# Altium PCB EVB-ANNA-B5x1_Certifi.PcbDoc (part 5 of 6) (continued)
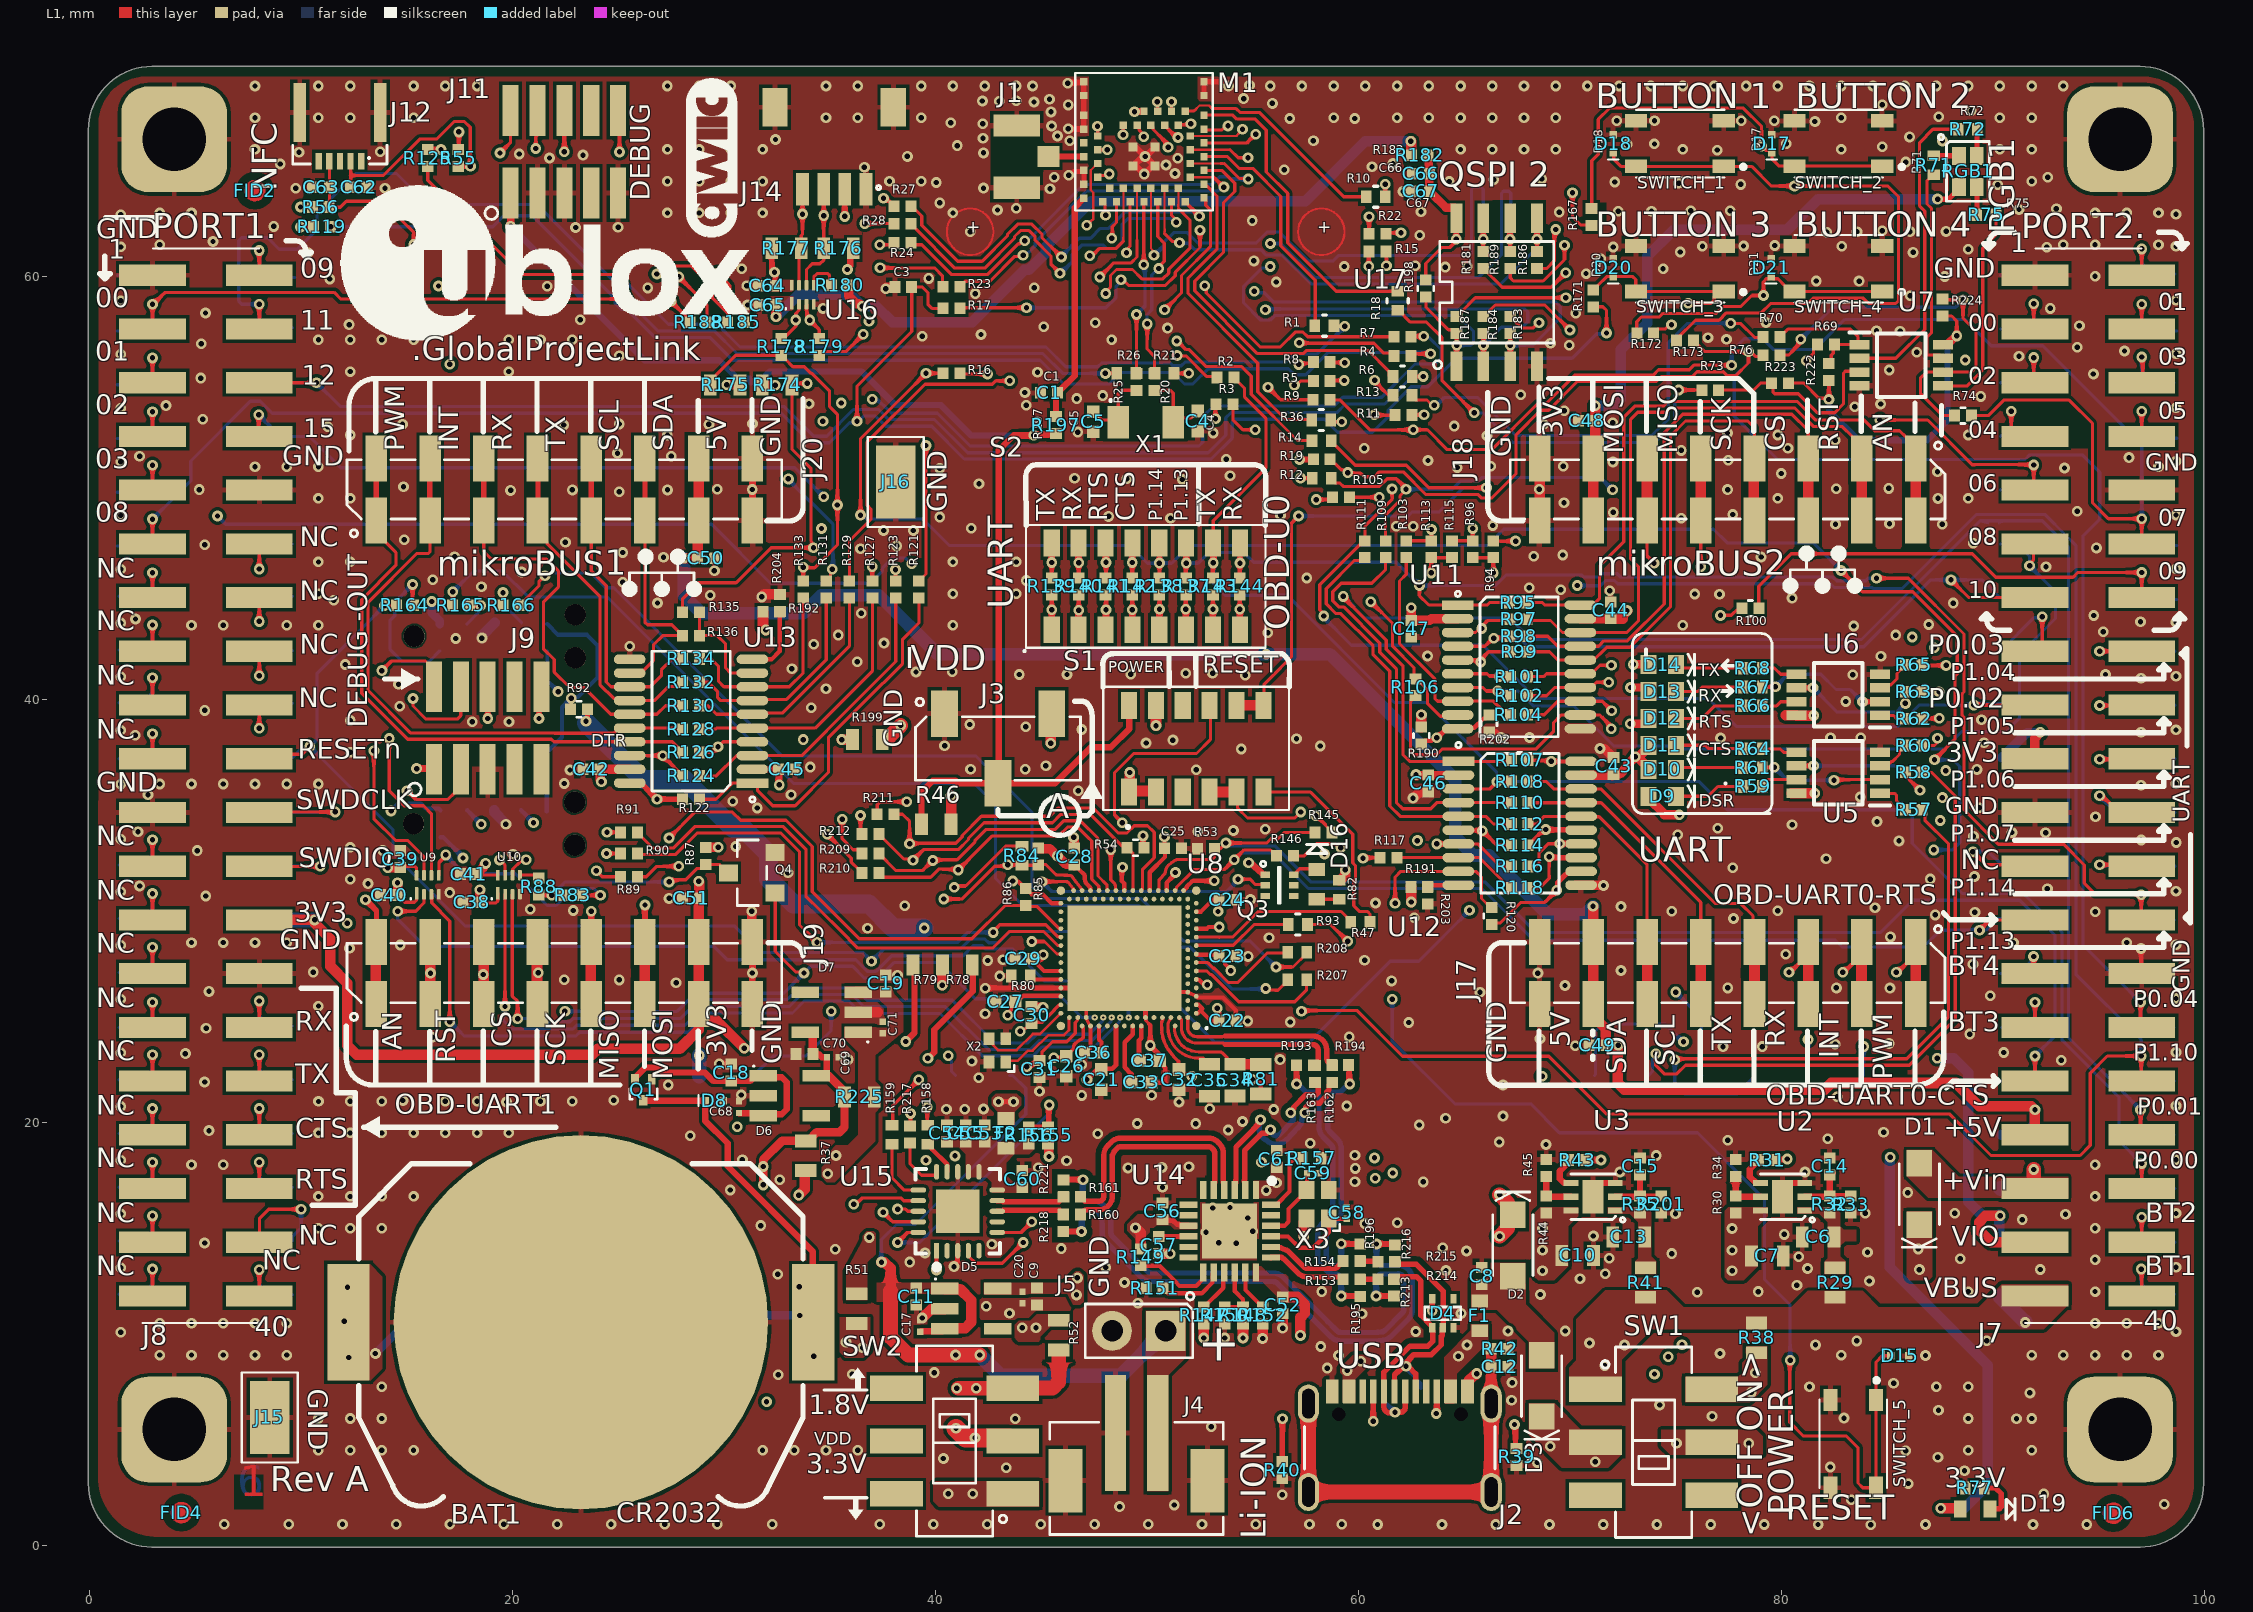
[diagram p0: L1 view]
## Nets (pads, with @x,y where several pads share a name; then routed paths per layer and width w, separated by ;. In a path a pad name is that pad's centre, name@x,y a point inside that pad or via, vN(x,y) a via of type N, cw(c..) or ccw(c..) an arc to the next point about the centre after c; other vN are vias at no path point) (continued)
  L1 w0.15: U10.6@19.995,31.707 20.007,31.719 20.007,32 20.375,32.367 20.57,32.367 v1(20.638,32.436) ; v1@21.248,39.173 J9.10@21.248,40.609 ; J9.10@21.361,39.789 J9.10@21.361,40.609
  L3 w0.15: v1(20.638,32.436) 20.638,32.533 20.494,32.677 20.494,38.686 20.897,39.089 21.221,39.089 v1(21.248,39.116)
SWD_EXT_SWO: J9.6 U10.7 | length 9.2
  L1 w0.15: v1@18.821,39.173 J9.6@18.821,40.609 ; v1(19.383,32.428) 19.645,32.166 U10.7@19.645,31.707
  L3 w0.15: v1(18.821,39.116) 18.821,39.098 19.07,38.849 19.07,32.741 v1(19.383,32.428)
SWDCLK: M1.41 R15.1 | length 16
  L1 w0.15: M1.41@51.15,67.815 v1(51.15,68.276) ; v1(60.479,60.493) 60.479,61.178 R15.1@60.494,61.193
  L3 w0.15: v1(51.15,68.276) 51.386,68.04 52.39,68.04 52.498,67.932 55.378,67.932 59.945,63.365 60.709,63.365 61.002,63.072 61.002,61.015 v1(60.479,60.493)
SWDCLK_ANNA: J8.22 J11.4 R15.2 R166.2 R208.1 TP105.1 | length 130.8
  L1 w0.15: J8.22@7.971,34.671 7.996,34.696 v1(11.608,34.696) ; R166.2@20.345,44.459 20.53,44.644 20.53,44.668 21.24,45.379 21.24,45.576 v1(21.53,45.865) ; v1(21.093,66.064) 21.093,66.595 21.176,66.678 J11.4@21.176,67.859 ; v1(56.09,27.361) 56.898,27.361 57.516,27.98 R208.1@57.516,28.056 ; R15.2@61.294,61.053 R15.2@61.312,61.034 ; R15.2@61.294,61.193 61.312,61.175 R15.2@61.312,61.034 ; v1(61.312,60.524) R15.2@61.312,61.034
  L3 w0.15: v1(21.093,66.064) 21.093,65.109 19.136,63.152 19.136,48.258 v1(21.53,45.865) ; v1@56.101,27.361 56.943,28.203 56.943,33.88 56.44,34.383 56.44,35.003 56.937,35.5 58.618,35.5 58.858,35.74 58.858,44.147 58.44,44.566 58.44,45.184 59.258,46.001 59.258,49.478 61.295,51.515 61.295,60.507 v1(61.312,60.524)
  L4 w0.15: v1(11.608,34.696) 11.705,34.696 11.876,34.868 12.052,34.868 21.53,44.346 v1(21.53,45.865)
  L6 w0.15: TP105.1@9.546,34.671 9.559,34.684 11.595,34.684 v1(11.608,34.696) ; v1(21.53,45.865) 21.626,45.865 21.759,45.998 23.692,45.998 24.391,45.299 24.777,45.299 25.005,45.07 25.01,45.07 32.745,37.336 41.911,37.336 44.552,34.694 44.552,31.158 45.103,30.607 49.705,30.607 51.712,28.6 54.851,28.6 v1(56.09,27.361)
SWDIO: M1.42 R22.1 | length 13.5
  L1 w0.15: v1(50.483,68.276) 50.491,68.267 50.491,67.824 M1.42@50.5,67.815 ; R22.1@60.495,62.036 v1(60.495,62.839)
  L3 w0.15: v1(50.483,68.276) 50.483,68.256 51.01,67.728 52.269,67.728 52.369,67.628 55.216,67.628 60.004,62.839 v1(60.495,62.839)
SWDIO_ANNA: J8.24 J11.2 R22.2 R165.2 R207.1 TP107.1 | length 136.6
  L1 w0.15: J8.24@7.971,32.131 7.979,32.123 v1(10.9,32.123) ; R165.2@17.151,44.459 17.175,44.483 v1(17.175,45.103) ; v1(19.403,65.85) 19.906,66.353 J11.2@19.906,67.859 ; v1(55.61,26.35) 55.678,26.282 56.021,26.282 56.039,26.263 56.189,26.263 56.642,26.716 R207.1@56.642,26.766 ; R22.2@61.294,62.036 61.334,62.076 v1(62.003,62.076)
  L3 w0.15: v1(17.175,45.103) 18.818,46.746 18.818,63.402 19.653,64.237 19.653,65.583 19.403,65.833 v1(19.403,65.85) ; v1(55.61,26.35) 56.117,26.857 56.27,26.857 57.266,27.853 57.266,34.005 56.762,34.509 56.762,34.876 57.066,35.18 58.944,35.18 59.21,35.447 59.21,44.25 58.763,44.697 58.763,45.062 59.072,45.37 59.468,45.37 59.6,45.502 59.6,49.349 61.623,51.372 61.623,60.139 62.031,60.547 62.031,62.048 v1(62.003,62.076)
  L4 w0.15: v1(10.9,32.123) 10.9,34.702 11.385,35.187 11.891,35.187 16.71,40.006 16.71,43.751 17.175,44.216 v1(17.175,45.103)
  L6 w0.15: TP107.1@9.571,32.131 9.575,32.127 10.896,32.127 v1(10.9,32.123) ; v1(17.175,45.103) 18.152,46.079 19.513,46.079 20.732,44.861 24.464,44.861 33.283,36.042 41.818,36.042 42.828,35.032 42.828,31.559 44.117,30.27 49.618,30.27 51.588,28.3 52.043,28.3 54.023,26.32 55.58,26.32 v1(55.61,26.35)
TXD: R68.1 U6.5 | length 1.7
  L1 w0.15: R68.1@79.095,41.502 79.656,41.502 79.951,41.207 U6.5@80.701,41.207
  L1 w0.25: R68.1@79.081,41.488 R68.1@79.095,41.502
UART0_OBD-CTS: J7.31 R53.2 R145.1 TP75.1 U8.AL9 | length 62.2
  L1 w0.15: U8.AL9@50.523,30.976 50.524,30.977 ccw(c50.418,31.083) 50.568,31.083 50.568,31.44 cw(c50.718,31.439) 50.612,31.545 50.815,31.748 ccw(c50.708,31.854) 50.858,31.847 cw(c51.337,31.829) 50.998,32.168 cw(c51.908,31.258) 51.409,32.444 53.056,32.444 53.188,32.575 R53.2@53.188,32.955 53.452,32.955 v1(53.723,33.226) 55.651,33.226 55.855,33.43 56.185,33.43 56.48,33.725 R145.1@57.947,33.725 ; J7.31@90.9,21.97 J7.31@91.975,21.97 ; J7.31@91.975,21.998 v1(91.975,23.156)
  L6 w0.15: v1(53.723,33.226) 53.82,33.226 53.955,33.09 56.036,33.09 57.75,31.376 65.993,31.376 68.369,29 84.677,29 86.197,30.52 91.263,30.52 92.93,28.853 92.93,24.111 v1(91.975,23.156) 91.975,22.47 91.475,21.97 TP75.1@90.401,21.97
UART0_OBD-RTS: J7.25 R146.1 TP69.1 U8.AL5 | length 47.5
  L1 w0.15: U8.AL5@51.323,30.976 51.323,30.996 51.385,31.059 51.385,31.134 52.219,31.968 53.65,31.968 v1(54.122,32.44) 54.122,32.444 54.126,32.444 54.576,32.894 55.837,32.894 55.912,32.819 55.927,32.819 56.112,32.634 R146.1@56.112,32.619 ; v1(89.355,29.104) 89.841,29.59 J7.25@91.975,29.59
  L4 w0.15: v1@54.067,32.385 v1(54.122,32.44)
  L6 w0.15: v1(54.122,32.44) 54.145,32.44 54.472,32.767 55.935,32.767 57.626,31.076 65.833,31.076 68.283,28.626 82.546,28.626 82.863,28.308 86.703,28.308 87.499,29.104 v1(89.355,29.104) 89.357,29.106 89.666,29.106 90.211,29.65 TP69.1@90.4,29.65
UART0_OBD-RXD: R144.1 S2.8 U8.U31 | length 26.4
  L1 w0.15: v1(44.539,28.568) 45.145,28.568 45.736,27.976 U8.U31@45.923,27.976 ; S2.8@54.381,43.252 S2.8@54.381,43.282 ; v1(54.381,44.282) R144.1@54.381,44.959
  L1 w0.25: S2.8@54.381,43.306 v1@54.381,44.252
  L3 w0.15: v1(44.539,28.568) 44.539,29.823 44.131,30.231 43.465,30.231 42.91,30.786 42.91,33.054 52.63,42.774 52.63,44.48 52.91,44.76 53.904,44.76 v1(54.381,44.282)
UART0_OBD-TXD: R143.1 S2.7 U8.AL19 | length 17.1
  L1 w0.15: v1@48.276,32.944 48.276,31.493 48.444,31.325 cw(c48.339,31.218) 48.478,31.273 cw(c48.137,31.139) 48.504,31.139 48.504,30.995 U8.AL19@48.523,30.976 ; S2.7@53.111,43.267 S2.7@53.111,43.279 ; v1(53.111,44.279) R143.1@53.111,44.974
  L1 w0.25: S2.7@53.111,43.306 v1@53.111,44.267
  L3 w0.15: v1(48.283,32.913) 48.31,32.94 48.31,34.383 52.43,38.503 52.43,42.123 52.936,42.63 52.936,44.104 v1(53.111,44.279)
UART1-CTS: R60.2 R142.1 R211.2 S2.4 TP31.1 U15.19 | length 116.3
  L1 w0.15: R211.2@37.238,34.583 37.238,35.037 37.381,35.18 v1(38.63,35.18) ; v1(37.516,15.767) 37.967,15.316 U15.19@39.18,15.316 ; S2.4@49.301,43.218 S2.4@49.301,43.25 ; v1(49.301,44.25) R142.1@49.301,44.956 ; R60.2@86.646,37.836 87.226,37.836 87.37,37.98 v1@87.37,38.123
  L1 w0.25: S2.4@49.301,43.306 v1@49.301,44.218
  L3 w0.15: v1(37.516,15.767) 37.516,18.31 34.223,21.603 34.223,25.907 35.68,27.364 35.68,30.195 37.92,32.434 37.92,33.546 38.63,34.255 v1(38.63,35.18) 38.713,35.18 38.94,34.953 41.218,34.953 49.301,43.037 v1(49.301,44.25)
  L4 w0.15: v1(37.516,15.767) 37.516,15.864 37.722,16.07 37.722,16.116 38.736,17.13 45.89,17.13 46.798,18.038 48.411,18.038 48.824,18.451 52.138,18.451 54.596,15.994 61.144,15.994 64.721,19.572 67.341,19.572 72.536,24.766 80.413,24.766 v1(81.249,23.931) 81.684,24.366 85.436,24.366 88.508,27.438 88.508,37.529 87.859,38.178 v1(87.369,38.178)
  L6 w0.15: v1@81.18,23.965 81.18,23.999 v1(81.249,23.931) ; TP31.1@81.256,22.172 v1@81.256,23.931
UART1-DSR: R57.2 R137.1 S2.6 TP27.1 U15.18 | length 114.5
  L1 w0.15: v1(38.201,15.918) 38.581,15.918 38.683,15.816 U15.18@39.18,15.816 ; v1(51.829,44.276) R137.1@51.829,44.956 ; v1(74.947,22.978) 74.994,23.024 85.915,23.024 87.894,25.003 87.894,33.182 86.77,34.305 86.77,34.671 R57.2@86.646,34.796
  L1 w0.25: S2.6@51.829,43.332 v1(51.829,44.276)
  L3 w0.15: v1(38.201,15.918) 38.201,18.105 37.33,18.976 34.555,21.751 34.555,25.803 35.99,27.239 35.99,30.063 38.257,32.33 38.257,33.408 39.482,34.633 41.362,34.633 49.52,42.79 50.343,42.79 v1@51.827,44.273
  L4 w0.15: v1(38.201,15.918) 40.285,15.918 42.448,13.755 44.234,13.755 46.341,15.862 50.156,15.862 52.895,13.124 61.827,13.124 66.423,17.72 69.25,17.72 74.468,22.938 74.908,22.938 v1(74.947,22.978)
  L6 w0.15: v1(74.947,22.978) 74.947,21.823 75.412,21.358 77.897,21.358 78.711,22.172 TP27.1@78.716,22.172
UART1-DTR: R58.2 R138.1 S2.5 TP30.1 U15.4 | length 124.1
  L1 w0.15: U15.4@41.546,13.951 41.546,13.702 41.892,13.356 43.155,13.356 v1(44.137,14.338) ; v1(50.583,44.278) R138.1@50.583,44.985 ; v1(74.043,23.266) 74.043,22.713 74.448,22.308 75.047,22.308 75.455,22.716 86.031,22.716 88.203,24.889 88.203,35.447 87.084,36.566 R58.2@86.646,36.566
  L1 w0.25: S2.5@50.583,43.32 v1(50.583,44.278)
  L3 w0.15: v1(44.137,14.338) 42.059,12.26 37.172,12.26 35.93,13.502 35.93,15.646 35.624,15.952 35.624,16.136 34.389,17.371 34.389,19.636 32.942,21.083 32.942,28.263 34.239,29.56 34.239,34.26 38.139,38.16 38.55,38.16 44.704,44.314 44.704,44.688 45.072,45.056 48.183,45.056 48.472,44.767 50.095,44.767 v1(50.583,44.278)
  L4 w0.15: v1(44.137,14.338) 44.234,14.338 44.39,14.494 44.42,14.494 46.088,16.162 50.296,16.162 53.006,13.452 61.709,13.452 66.277,18.02 68.86,18.02 74.043,23.203 v1(74.043,23.266)
  L6 w0.15: TP30.1@73.69,22.231 73.891,22.432 73.891,23.017 74.043,23.169 v1(74.043,23.266)
UART1-RTS: R62.2 R141.1 R212.2 S2.3 TP42.1 U15.6 | length 119.2
  L1 w0.15: v1(36.449,34.529) 36.449,33.736 R212.2@36.53,33.655 ; U15.6@42.911,14.816 44.045,14.816 v1(44.549,15.32) ; v1(48.055,44.252) R141.1@48.055,44.959 ; R62.2@86.724,39.185 R62.2@86.646,39.106 v1@87.442,39.106
  L1 w0.25: S2.3@48.055,43.294 v1(48.055,44.252)
  L3 w0.15: v1(44.549,15.32) 44.057,14.828 37.778,14.828 36.909,15.696 36.909,18.492 33.9,21.501 33.9,24.637 33.888,24.649 33.888,26.026 35.378,27.516 35.378,29.769 35.38,29.771 35.38,30.922 36.449,31.99 v1(36.449,34.529) 36.449,35.032 38.627,37.211 41.014,37.211 v1(48.055,44.252)
  L4 w0.15: v1(44.549,15.32) 45.691,16.462 50.431,16.462 53.113,13.781 61.555,13.781 66.095,18.32 67.447,18.32 72.317,23.19 72.507,23.19 72.832,23.515 72.832,24.318 72.964,24.45 79.678,24.45 80.998,23.13 83.413,23.13 v1(83.883,23.6) 84.326,23.157 85.477,23.157 89.89,27.57 89.89,36.877 87.709,39.058 87.514,39.058 v1(87.446,39.127)
  L6 w0.15: TP42.1@83.85,22.231 83.866,22.247 83.866,23.584 v1(83.883,23.6)
UART1-RXD: R63.2 R140.1 R210.2 S2.2 TP29.1 U15.17 | length 124.6
  L1 w0.15: v1(34.872,33.642) 36.012,32.502 36.012,32.323 36.33,32.005 36.345,32.005 36.53,31.82 R210.2@36.53,31.805 ; v1(36.13,16.146) 36.227,16.146 36.527,16.446 38.356,16.446 38.486,16.316 U15.17@39.18,16.316 ; v1@46.761,44.234 v1(46.761,44.237) R140.1@46.761,44.94 ; R63.2@86.646,40.376 v1(87.436,40.376)
  L1 w0.25: S2.2@46.761,43.306 v1@46.761,44.234
  L3 w0.15: v1(36.13,16.146) 36.13,18.347 33.26,21.218 33.26,28.094 34.555,29.388 34.555,31.586 34.872,31.904 v1(34.872,33.642) 34.872,34.418 38.3,37.846 38.68,37.846 45.011,44.177 45.011,44.462 45.289,44.741 46.258,44.741 v1(46.761,44.237)
  L4 w0.15: v1(36.13,16.146) 39.244,19.26 45.982,19.26 46.904,18.338 48.287,18.338 48.774,18.825 52.202,18.825 54.719,16.308 61.004,16.308 65.267,20.571 66.291,20.571 71.898,26.178 v1(74.993,26.178) 76.09,25.08 80.563,25.08 80.943,24.7 85.28,24.7 88.15,27.57 88.15,35.919 87.987,36.082 87.153,36.082 86.34,36.895 86.34,39.109 87.368,40.137 87.368,40.307 v1(87.436,40.376)
  L6 w0.15: v1(74.993,26.178) 76.205,24.966 76.205,22.256 TP29.1@76.23,22.231
UART1-TXD: R65.2 R139.1 R209.2 S2.1 TP26.1 U15.1 | length 130.2
  L1 w0.15: v1(35.579,34.347) 35.579,33.424 36.094,32.909 36.351,32.909 R209.2@36.53,32.73 ; v1(40.038,13.043) 40.038,13.943 U15.1@40.046,13.951 ; v1(45.491,44.25) R139.1@45.491,44.956 ; R65.2@86.646,41.646 86.669,41.622 v1(87.774,41.622)
  L1 w0.25: S2.1@45.491,43.306 v1(45.491,44.25)
  L3 w0.15: v1@35.558,34.325 35.558,31.888 34.888,31.218 34.888,27.485 33.58,26.177 33.58,21.397 36.609,18.368 36.609,15.011 36.26,14.662 36.26,13.635 37.255,12.64 39.635,12.64 v1(40.038,13.043) ; v1(35.579,34.347) 35.647,34.415 35.647,34.709 38.469,37.53 38.801,37.53 45.491,44.22 v1(45.491,44.25)
  L4 w0.15: v1(40.038,13.043) 40.071,13.043 40.425,12.689 43.623,12.689 46.474,15.539 50.037,15.539 52.778,12.799 61.971,12.799 66.592,17.42 69.4,17.42 74.45,22.47 75.168,22.47 75.451,22.754 75.451,23.563 75.428,23.586 75.428,23.716 75.451,23.739 v1(75.36,23.83) 75.364,23.83 75.671,24.137 79.461,24.137 80.787,22.81 85.62,22.81 90.253,27.443 90.253,39.517 89.235,40.535 88.861,40.535 v1(87.774,41.622)
  L6 w0.15: TP26.1@71.15,22.231 71.2,22.281 71.2,24.34 71.536,24.676 74.472,24.676 75.318,23.83 v1(75.36,23.83)
UART1_OBD-CTS: J8.34 R54.2 R212.1 TP118.1 U8.AL15 | length 62.6
  L1 w0.15: J8.34@8.025,19.49 v1(8.025,20.676) ; R212.1@37.322,33.648 38.498,32.472 38.875,32.472 v1(38.931,32.416) 39.427,32.912 41.073,32.912 41.555,33.395 41.555,33.456 42.287,34.188 45.526,34.188 45.915,34.577 47.317,34.577 48.889,33.005 R54.2@49.043,33.005 49.043,32.99 49.228,32.805 49.243,32.805 49.336,32.712 49.336,30.989 U8.AL15@49.323,30.976
  L4 w0.15: v1(8.025,20.676) 9.339,21.99 24.91,21.99 34.156,31.236 39.025,31.236 40.182,30.08 40.576,30.08 41.555,31.06 41.555,32.153 41.263,32.446 40.508,32.446 40.068,32.886 39.667,32.886 39.266,32.485 39,32.485 v1(38.931,32.416)
  L6 w0.15: v1(8.025,20.676) 8.025,19.99 8.525,19.49 TP118.1@9.6,19.49
UART1_OBD-RTS: J8.36 R211.1 TP120.1 U8.AL13 | length 68.7
  L1 w0.15: J8.36@8.025,16.95 v1(8.025,18.136) ; R211.1@38.038,34.583 38.435,34.583 38.769,34.249 v1(38.769,33.194) 38.787,33.212 40.949,33.212 41.255,33.519 41.255,33.58 42.165,34.49 45.388,34.49 45.779,34.881 47.448,34.881 48.629,33.699 49.045,33.699 49.392,34.046 50.015,34.046 50.332,33.729 50.332,32.536 49.786,31.989 49.786,31.092 49.785,31.059 49.723,30.996 U8.AL13@49.723,30.976
  L4 w0.15: v1(8.025,18.136) 8.533,18.644 25.664,18.644 28.24,21.22 28.24,24.87 34.285,30.915 38.892,30.915 40.05,29.756 40.703,29.756 41.866,30.92 41.866,32.283 40.937,33.212 38.787,33.212 v1(38.769,33.194)
  L6 w0.15: v1(8.025,18.136) 8.025,17.45 8.525,16.95 TP120.1@9.6,16.95
UART1_OBD-RXD: J8.30 R209.1 TP113.1 U8.AL21 | length 54.8
  L1 w0.15: J8.30@8.025,24.57 v1(8.025,25.756) ; R209.1@37.33,32.73 37.33,32.715 38.117,31.928 39.382,31.928 39.854,32.4 v1(39.863,32.4) 39.896,32.433 41.018,32.433 41.855,33.27 41.855,33.332 42.392,33.869 45.654,33.869 46.062,34.277 46.845,34.277 47.678,33.444 47.678,31.667 48.109,31.236 48.109,30.99 U8.AL21@48.123,30.976
  L4 w0.15: v1(8.025,25.756) 9.004,25.756 11.22,23.54 25.559,23.54 33.905,31.886 39.331,31.886 39.845,32.4 v1(39.863,32.4)
  L6 w0.15: v1(8.025,25.756) 8.025,25.07 8.525,24.57 TP113.1@9.6,24.57
UART1_OBD-TXD: J8.32 R210.1 TP116.1 U8.AL23 | length 54.3
  L1 w0.15: J8.32@8.025,22.03 v1(8.025,23.216) ; R210.1@37.33,31.805 37.33,31.79 37.515,31.605 39.762,31.605 40.148,31.991 41.035,31.991 v1(41.073,31.954) 42.682,33.562 45.819,33.562 46.234,33.977 46.72,33.977 47.215,33.482 47.378,33.32 47.378,31.518 47.713,31.183 47.713,30.986 U8.AL23@47.723,30.976
  L4 w0.15: v1(8.025,23.216) 8.056,23.185 25.661,23.185 34.043,31.567 40.686,31.567 v1(41.073,31.954)
  L6 w0.15: v1(8.025,23.216) 8.025,22.53 8.525,22.03 TP116.1@9.6,22.03
USB_n: D4.1 J2.A7 J2.B7 R213.2 R214.2 TP4.1 | length 12.3
  L1 w0.255: R213.2@61.705,12.582 R213.2@61.705,12.593 ; R214.2@61.705,12.597 R213.2@61.705,12.593 ; J2.A7@62.196,7.296 62.196,6.527 cw(c61.991,6.527) 62.136,6.382 cw(c61.978,6.54) 61.978,6.316 v1(61.719,6.316) 61.693,6.291 61.439,6.291 cw(c61.439,6.501) 61.291,6.352 cw(c61.52,6.582) 61.196,6.582 J2.B7@61.196,7.296 61.196,8.204 62.431,9.439 63.276,9.439 63.5,9.663 D4.1@63.5,10.137 ; D4.1@63.483,10.318 63.483,10.393 63.46,10.415 63.427,10.415 62.943,10.899 62.943,12.518 62.735,12.726 61.838,12.726 R213.2@61.705,12.593
  L6 w0.15: TP4.1@61.16,7.434 61.16,6.875 v1(61.719,6.316)
USB_p: D4.2 J2.A6 J2.B6 R215.2 R216.2 TP5.1 | length 11.9
  L1 w0.255: J2.A6@61.696,7.296 61.696,8.086 62.052,8.442 62.192,8.442 v1(62.24,8.49) 62.288,8.442 62.378,8.442 62.696,8.124 J2.B6@62.696,7.296 ; R215.2@61.705,13.43 61.834,13.301 R215.2@61.842,13.301 ; R215.2@61.719,13.425 R216.2@61.719,13.43 ; R215.2@61.846,13.298 R215.2@61.842,13.301 ; v1@62.147,8.583 62.599,9.034 63.444,9.034 63.905,9.495 63.905,9.897 63.96,9.952 63.96,10.295 D4.2@63.983,10.318 63.983,10.393 64.006,10.416 64.006,12.028 62.732,13.301 R215.2@61.842,13.301
  L6 w0.15: v1(62.24,8.49) 62.24,8.393 62.938,7.695 TP5.1@62.938,7.434
V_BAT: C11.1 C17.1 D5.1 D5.3 J4.2 J5.1 TP1.1 | length 37.6
  L1 w0.15: D5.3@40.311,10.287 40.411,10.287 D5.3@40.436,10.262
  L1 w0.3: C17.1@39.275,10.118 39.295,10.137 40.311,10.137 D5.3@40.436,10.262
  L1 w0.5: v1(37.438,13.412) v1(37.438,13.412) 37.576,13.411 37.871,13.116 37.871,12.046 ; D5.3@40.311,10.287 41.393,10.287 41.686,10.58 41.686,11.602 41.151,12.137 40.455,12.137 D5.1@40.436,12.155
  L1 w0.7: 37.871,12.046 37.871,9.855 38.709,9.017 v1(40.945,9.017) v1(42.088,9.017)
  L6 w0.15: v1(37.438,13.412) 37.427,13.423 37.427,14.467 38.149,15.189 39.049,15.189 44.262,20.402 44.262,21.628 43.659,22.231 TP1.1@43.489,22.231
  L6 w0.7: v1(40.945,9.017) v1(42.088,9.017) 43.065,8.04 48.759,8.04 J5.1@50.879,10.16
V_Coin_Cell: C69.1 C70.1 D6.5 D7.5 R37.2 R225.1 SW2.1 | length 39.6
  L1 w0.3: C70.1@34.195,23.252 34.464,23.252 34.619,23.098 C69.1@34.867,23.098 34.851,23.082 D6.5@34.851,22.352
  L1 w0.4: v1(31.846,17.062) v2(31.846,17.93) 31.846,18.249 32.746,19.149 33.846,19.149 33.854,19.14 R37.2@33.858,19.14 ; D7.5@33.84,24.271 34.12,24.271 34.195,24.196 C70.1@34.195,23.248 ; R37.2@34.008,19.19 34.37,19.552 35.458,19.552 35.692,19.786 R225.1@35.692,21.222 35.592,21.322 35.592,21.576 34.94,22.227 D6.5@34.351,22.227
  L4 w0.7: v2(31.846,17.93) v1(31.846,17.062) 31.846,16.715 29.389,14.258 29.389,3.991 30.927,2.453 v2(40.595,2.453) v2(41.749,2.453)
VBUS: J7.39 R29.1 R38.1 R41.1 R92.2 SW1.1 TP83.1 | length 48
  L1 w0.2: v1(23.47,38.989) 23.539,39.059 R92.2@23.539,39.548
  L4 w0.5: v1(39.459,29.208) 40.881,29.208 42.381,30.707 42.381,32.111 45.12,34.851 51.819,34.851 52.327,35.359 58.15,35.359 58.658,34.851 58.658,33.645 58.389,33.376 58.389,32.707 v1(58.387,32.706)
  L6 w0.7: TP83.1@90.346,11.811 90.346,11.754 v1@91.5,10.6
  L6 w0.9: v1@23.494,38.901 26.175,36.22 28.126,36.22 30.433,33.913 30.902,33.913 32.096,32.72 32.096,31.53 33.289,30.336 36.857,30.336 37.985,29.208 v1(39.459,29.208)
  other v1: 71.634,8.525 72.569,9.489 70.916,9.589 91.515,10.556 60.782,17.374 61.617,17.626 60.748,18.338
VCC: C1.1 M1.9 R197.1 | length 10.9
  L1 w0.3: R197.1@45.69,53.384 45.69,54.434 C1.1@45.814,54.558 ; C1.1@45.764,54.508 45.764,54.523 45.914,54.673 45.929,54.673 46.57,55.314 46.57,63.265 M1.9@47.01,63.705
VDD: J3.2 J11.1 R46.1 R197.2 S1.12 TP16.1 | length 63.5
  L1 w0.3: v1(19.904,62.378) 19.905,62.379 19.905,63.958 J11.1@19.906,63.959 ; R46.1@39.33,34.112 39.33,35.634 39.867,36.17 40.941,36.17 41.067,36.044 J3.2@42.951,36.044 ; R197.2@45.69,52.584 45.648,52.543 44.675,52.543 v1(44.633,52.501) 43.688,52.501 42.984,51.796 42.984,36.076 J3.2@42.951,36.044 ; S1.12@49.15,39.68 49.15,38.614 48.285,37.749 47.347,37.749 45.642,36.044 J3.2@42.951,36.044
  L6 w0.3: v1(19.904,62.378) 26.236,56.047 29.771,56.047 30.645,55.172 31.218,55.172 TP16.1@31.39,55 ; TP16.1@31.249,55 TP16.1@31.39,55 ; v1(44.633,52.501) 44.623,52.49 41.682,52.49 40.236,53.937 38.079,53.937 36.498,55.518 32.152,55.518 31.634,55 TP16.1@31.39,55
VDD_DBGR: C21.1 C22.1 C23.1 C24.1 C25.1 C28.1 C29.1 C30.1 C31.1 C32.1 C38.2 C40.2 J10.1 R78.2 R79.1 R85.2 R86.2 R87.2 TP43.1 U8.A19 U8.AC1 U8.AG1 U8.AJ31 U8.AL3 U8.AL7 U8.AL11 U8.AL17 U8.AL25 U8.B8 U8.B28 U8.C1 U8.E1 U8.E31 U8.L1 U8.N31 U8.U1 U9.1 U10.1 | length 93.9
  L1 w0.15: C40.2@14.564,30.752 14.892,30.424 15.36,30.424 15.447,30.511 15.447,30.837 U9.1@15.46,30.849 ; C38.2@18.497,30.392 19.207,30.392 19.295,30.48 U10.1@19.295,30.857 ; v1(44.006,24.33) 44.334,24.506 C30.1@44.534,24.691 44.597,24.754 45.052,24.754 45.609,25.311 45.609,25.349 45.821,25.562 U8.E31@45.94,25.562 ; C31.1@44.732,22.852 ccw(c44.656,22.982) 44.762,22.876 44.82,22.934 C31.1@44.909,22.934 45.024,23.049 45.024,23.331 45.526,23.833 46.205,23.833 46.604,24.231 46.604,24.734 46.709,24.839 46.709,24.962 U8.B28@46.723,24.976
  L1 w0.16: 50.699,24.264 cw(c52.441,24.501) 50.683,24.508 ccw(c50.523,24.508) 50.683,24.521 cw(c51.323,24.576) 50.681,24.6 ccw(c50.521,24.605) 50.681,24.617 cw(c51.134,24.655) 50.721,24.847 ccw(c50.576,24.913) U8.B8@50.723,24.976 ; 50.7,24.263 ccw(c52.505,24.488) 51.146,23.278 cw(c51.026,23.172) 51.157,23.265 ccw(c52.799,24.423) 51.482,22.905
  L1 w0.187: C29.1@44.492,27.814 44.542,27.764 44.549,27.757 45.13,27.176 U8.N31@45.923,27.176 ; v2(47.158,22.042) 47.645,22.529 C21.1@47.78,22.529 ; 51.482,22.905 51.482,22.553 51.719,22.316 51.986,22.316 v2(52.113,22.189) ; C32.1@51.495,22.528 cw(c51.363,22.396) C32.1@51.508,22.514 ; v2(53.309,25.42) 53.394,25.335 C22.1@53.394,24.833 C22.1@53.394,24.825 ; v2(53.355,29.99) 53.355,30.509 C24.1@53.394,30.548 ; C23.1@53.394,27.881 53.69,27.585 53.69,27.505 53.833,27.363 53.902,27.363 v1@53.902,27.187
  L1 w0.2: v2(43.65,31.43) 43.672,31.408 43.906,31.408 44.247,31.067 R86.2@44.262,31.067 44.277,31.067 44.537,30.807 45.053,30.807 45.49,30.37 45.497,30.376 U8.AJ31@45.923,30.376 ; C28.1@46.692,32.062 46.962,31.792 ; 47.013,31.758 cw(c46.853,31.638) 47.053,31.638 47.053,31.518 ccw(c47.378,31.518) 47.149,31.287 47.26,31.176 cw(c47.118,31.035) U8.AL25@47.318,31.036 ; U8.AL25@47.318,31.035 47.318,30.981 U8.AL25@47.323,30.976 ; v1(48.832,32.082) 48.801,32.051 48.801,31.428 48.923,31.306 U8.AL17@48.923,30.976 ; U8.AL11@50.123,30.976 50.123,31.843 50.843,32.563 C25.1@50.843,32.968 ; v1(50.815,33.52) 50.815,32.996 C25.1@50.831,32.98 ; U8.AL7@50.923,30.976 50.923,31.352 51.337,31.766 v1(51.337,31.829) ; U8.AL3@51.728,30.981 51.873,31.126 51.873,31.162 52.137,31.426 52.173,31.426 52.184,31.437 v1(53.178,31.437) ; U8.C1@52.323,25.176 52.328,25.181 52.397,25.181 52.529,25.313 ; U8.E1@52.323,25.576 52.422,25.576 52.607,25.391 52.529,25.313 ; U8.L1@52.323,26.776 52.328,26.771 52.358,26.771 cw(c52.358,26.571) 52.498,26.714 52.579,26.633 cw(c52.323,26.376) 52.58,26.632 52.62,26.592 ccw(c52.761,26.733) v1@52.755,26.533 ; U8.U1@52.323,27.976 52.36,27.939 53.336,27.939 C23.1@53.394,27.881 ; U8.AC1@52.323,29.176 52.826,29.176 52.902,29.252 v1(53.408,29.252) v1@53.415,29.26 ; U8.AG1@52.323,29.976 52.328,29.981 52.541,29.981 53.108,30.548 C24.1@53.394,30.548 ; v1@52.756,26.533 cw(c52.749,26.333) 52.771,26.532 v1(52.843,26.524) ; C22.1@53.412,24.818 53.025,24.818 52.529,25.313
  L1 w0.225: C21.1@47.825,22.514 47.861,22.55 48.344,22.55 48.523,22.729 U8.A19@48.523,24.576
  L1 w0.3: v1@44.275,22.582 44.323,22.611 C31.1@44.732,22.852
  L1 w0.45: C40.2@14.561,30.77 v1@14.561,31.348 ; C38.2@18.456,30.432 v1@18.456,31.01 ; R87.2@29.137,33.017 v1@29.715,33.017 ; C29.1@44.542,27.734 C29.1@44.542,27.749 44.542,27.764 44.577,27.799 44.93,27.799 45.075,27.944 v1(45.091,27.944) ; R85.2@44.856,32.988 44.891,32.953 45.401,32.953 45.74,32.614 v1(45.756,32.614) 45.772,32.614 46.17,32.215 46.505,32.215 46.545,32.175 C28.1@46.545,32.152
  L1 w0.5: v1(40.31,26.495) 40.312,26.497 40.312,27.436 R79.1@40.327,27.452
  L3 w0.5: v1(14.254,34.745) 14.256,34.743 14.256,33.653 14.751,33.158 14.751,31.547 17.602,31.547 18.131,31.017 18.427,31.017 18.429,31.015 18.451,31.015 v1(18.453,31.013) ; v1(14.557,31.351) 14.742,31.536 ; 18.102,31.002 18.102,30.945 17.87,30.713 17.87,24.948 19.62,23.198 v1@28.811,23.198 ; v1(28.824,23.185) 29.71,24.071 v1@29.71,33.012
  L4 w0.5: v1(28.824,23.185) 31.629,25.99 39.802,25.99 v1@40.309,26.497
  L6 w0.15: TP43.1@28.796,22.172 TP43.1@28.824,22.2
  L6 w0.2: v1(14.254,34.745) 14.594,35.085 15.66,35.085 15.889,34.856 16.506,34.856 J10.1@16.589,34.773
  L6 w0.7: TP43.1@28.824,22.2 v1(28.824,23.185)
  other v1: 44.3,22.65 53.959,27.194 29.718,33.02
VDD_M: J3.3 R37.1 R46.2 R199.1 S1.1 S1.2 SW2.2 | length 74.6
  L1 w0.5: v1(33.531,16.58) 33.808,16.857 33.808,17.69 R37.1@33.858,17.74 ; R46.2@40.73,34.112 v1(40.73,35.455) ; v1(45.441,37.948) 45.442,37.949 45.442,39.086 J3.3@45.441,39.088 ; S1.1@49.145,35.633 49.198,35.686 50.362,35.686 S1.2@50.415,35.633 ; S1.1@49.171,35.659 49.171,36.552 v1(49.179,36.559)
  L1 w0.7: R199.1@37.521,38.265 37.83,38.265 v2(38.346,38.781) ; SW2.2@43.639,4.953 SW2.2@43.644,4.953
  L1 w0.9: v1(40.96,5.553) 41.41,5.103 v1(41.861,5.103) 43.489,5.103 SW2.2@43.639,4.953
  L3 w0.7: v2(30.615,19.804) 32.195,21.384 32.195,29.61 32.2,29.615 32.2,33.132 37.849,38.781 v2(38.346,38.781)
  L4 w0.5: v1(40.73,35.455) 41.915,35.455 44.408,37.948 v1(45.441,37.948) 46.3,37.948 47.696,36.552 v1@49.171,36.552
  L4 w0.9: v2(30.615,19.804) 31.004,20.193 33.004,20.193 33.531,19.666 v1(33.531,16.58) 33.531,15.404 31.486,13.358 31.486,7.358 32.013,6.831 39.683,6.831 v1(40.96,5.553) 41.41,5.103 v1(41.861,5.103) ; v2(38.346,38.781) 38.346,37.84 v1(40.73,35.455)
  other v2: 32.008,6.813
VDD_SWD0: C39.1 C41.1 J9.1 U9.8 U10.8 | length 17.2
  L1 w0.15: C39.1@14.681,32.061 14.744,32.124 15.372,32.124 15.46,32.036 U9.8@15.46,31.699 ; C41.1@18.325,31.759 18.377,31.707 19.282,31.707 U10.8@19.282,31.719 ; U10.8@19.282,31.796 U10.8@19.282,31.719 ; U10.8@19.295,31.707 U10.8@19.282,31.719
  L1 w0.3: v1(15.46,36.744) 16.246,36.744 J9.1@16.281,36.709
  L1 w0.45: v1(14.097,32.055) 14.1,32.058 14.678,32.058 C39.1@14.681,32.061 ; J9.1@16.126,37.011 16.281,37.166 J9.1@16.281,37.586 ; C41.1@18.322,31.77 18.607,32.056 18.607,32.131 18.723,32.247 v1(18.723,32.262)
  L3 w0.3: v1(14.097,32.055) 13.53,32.055 13.243,32.342 13.243,36.167 13.82,36.744 v1(15.46,36.744)
  L4 w0.3: v1(14.097,32.055) 15.059,32.055 15.355,31.759 18.219,31.759 v1(18.723,32.262)
VDDIO_Periph: C45.1 C46.1 C47.1 C65.1 J7.37 J13.1 R79.2 R155.1 R174.2 R175.2 R180.2 R182.1 R190.2 R191.2 R192.2 R199.2 R222.1 R223.1 R224.1 S1.11 TP28.1 TP81.1 U5.8 U6.8 U7.8 U11.2 U12.2 U13.2 U16.1 | length 146.3
  L1 w0.15: R223.1@80.327,54.969 81.055,54.969 81.763,54.261 v1@82.166,54.261 ; v1@82.22,54.285 v1@82.235,54.27 ; R222.1@82.22,55.09 82.235,55.075 v1@82.235,54.27 ; v1(82.235,54.193) v1@82.235,54.27 ; R224.1@87.605,58.142 88.033,58.142 88.279,57.896 v1(88.279,57.203)
  L1 w0.3: U13.2@31.336,36.711 C45.1@32.561,36.711 32.582,36.69 32.582,35.995 v1(32.603,35.974) ; v1(38.588,23.839) 38.588,23.842 38.998,24.252 38.998,27.381 R79.2@38.927,27.452
  L1 w0.4: v1@62.744,36.434 U12.2@64.718,36.434 ; U7.8@87.629,56.792 87.829,56.792 88.239,57.201 88.278,57.201 v1(88.279,57.203)
  L1 w0.45: v1(30.124,54.889) 30.129,54.885 30.746,54.885 R175.2@30.75,54.881 ; R174.2@31.809,54.881 31.817,54.872 32.402,54.872 v1(32.41,54.864) ; R180.2@35.867,59.6 35.902,59.565 35.902,59.076 36.253,58.725 36.394,58.725 36.514,58.605 v1(36.53,58.605) ; R155.1@45.314,18.997 45.349,18.962 45.349,18.415 v1(45.36,18.404) ; v1(62.488,44.347) C47.1@62.488,43.758 63.353,43.758 63.423,43.828 U11.2@64.683,43.828
  L1 w0.5: R192.2@31.826,44.154 31.836,44.144 31.836,43.428 31.965,43.299 v1(31.965,43.297) ; v1(32.455,58.112) C65.1@32.455,58.663 ; v1(35.556,38.115) R199.2@36.02,38.115 ; S1.11@50.415,39.733 50.42,39.727 v1(50.42,38.777) ; R191.2@62.467,31.146 62.477,31.136 62.477,30.447 62.486,30.438 v1(62.486,30.436) ; v1(62.469,66.405) 62.469,66.403 62.48,66.392 62.48,65.703 R182.1@62.49,65.693 ; v1(62.713,36.462) 62.716,36.462 v1@62.744,36.434 ; R190.2@62.967,38.703 v1(62.967,39.293) ; 80.201,39.257 U6.8@80.701,39.257 80.705,39.252 v1(81.516,39.252) ; U5.8@80.481,35.574 v1(81.564,35.574) ; v1@90.32,15.597 89.633,15.597 89.34,15.305 89.34,14.91 89.896,14.354 J7.37@91.919,14.354
  L3 w0.5: v1(16.175,44.644) v1(16.175,44.644) 16.448,44.642 17.294,43.796 19.84,43.796 21.147,45.103 24.202,45.103 25.995,43.31 v1@31.92,43.31 ; v1(81.516,39.252) v1(81.516,39.252) 82.198,39.937 82.198,40.995 77.963,45.23 77.963,47.453 74.11,51.306 74.11,58.716 76.114,60.72 85.556,60.72 88.279,57.997 v1(88.279,57.203)
  L6 w0.3: v1(82.235,54.193) 82.235,53.671 83.636,52.27 86.885,52.27 87.841,53.226 87.841,56.743 v1@88.279,57.181
  L6 w0.4: v1(16.175,44.644) 16.175,44.112 16.56,43.727 J13.1@16.56,43.578
  L6 w0.5: v1(32.455,58.112) 33.499,59.156 35.977,59.156 36.528,58.605 37.2,58.605 37.948,57.857 41.727,57.857 44.19,60.32 44.4,60.32 45.202,61.122 45.202,61.422 47.35,63.57 57.485,63.57 60.32,66.405 v1(62.469,66.405) ; v1(87.36,23.05) 88.142,23.05 88.83,22.362 88.83,16.263 89.493,15.6 v1(90.331,15.6) ; v1@90.298,15.638 90.298,14.399 TP81.1@90.342,14.355
  other v1: 68.682,22.2 62.778,33.342 33.735,38.115
X_L_N: C5.1 R25.1 X1.1 | length 3.6
  L1 w0.15: C5.1@47.447,53.422 47.677,53.422 47.876,53.224 48.53,53.224 X1.1@48.631,53.122 48.634,53.125 48.634,54.483 48.781,54.629 R25.1@49.495,54.629
X_L_P: C4.1 R20.1 X1.2 | length 3.6
  L1 w0.15: R20.1@50.348,54.629 50.353,54.635 51.085,54.635 51.231,54.488 X1.2@51.231,53.122 51.435,53.325 52.077,53.325 52.2,53.448 C4.1@52.4,53.448